# Allegro board PCIE_FIBER_BOARD-1116.brd (continued)
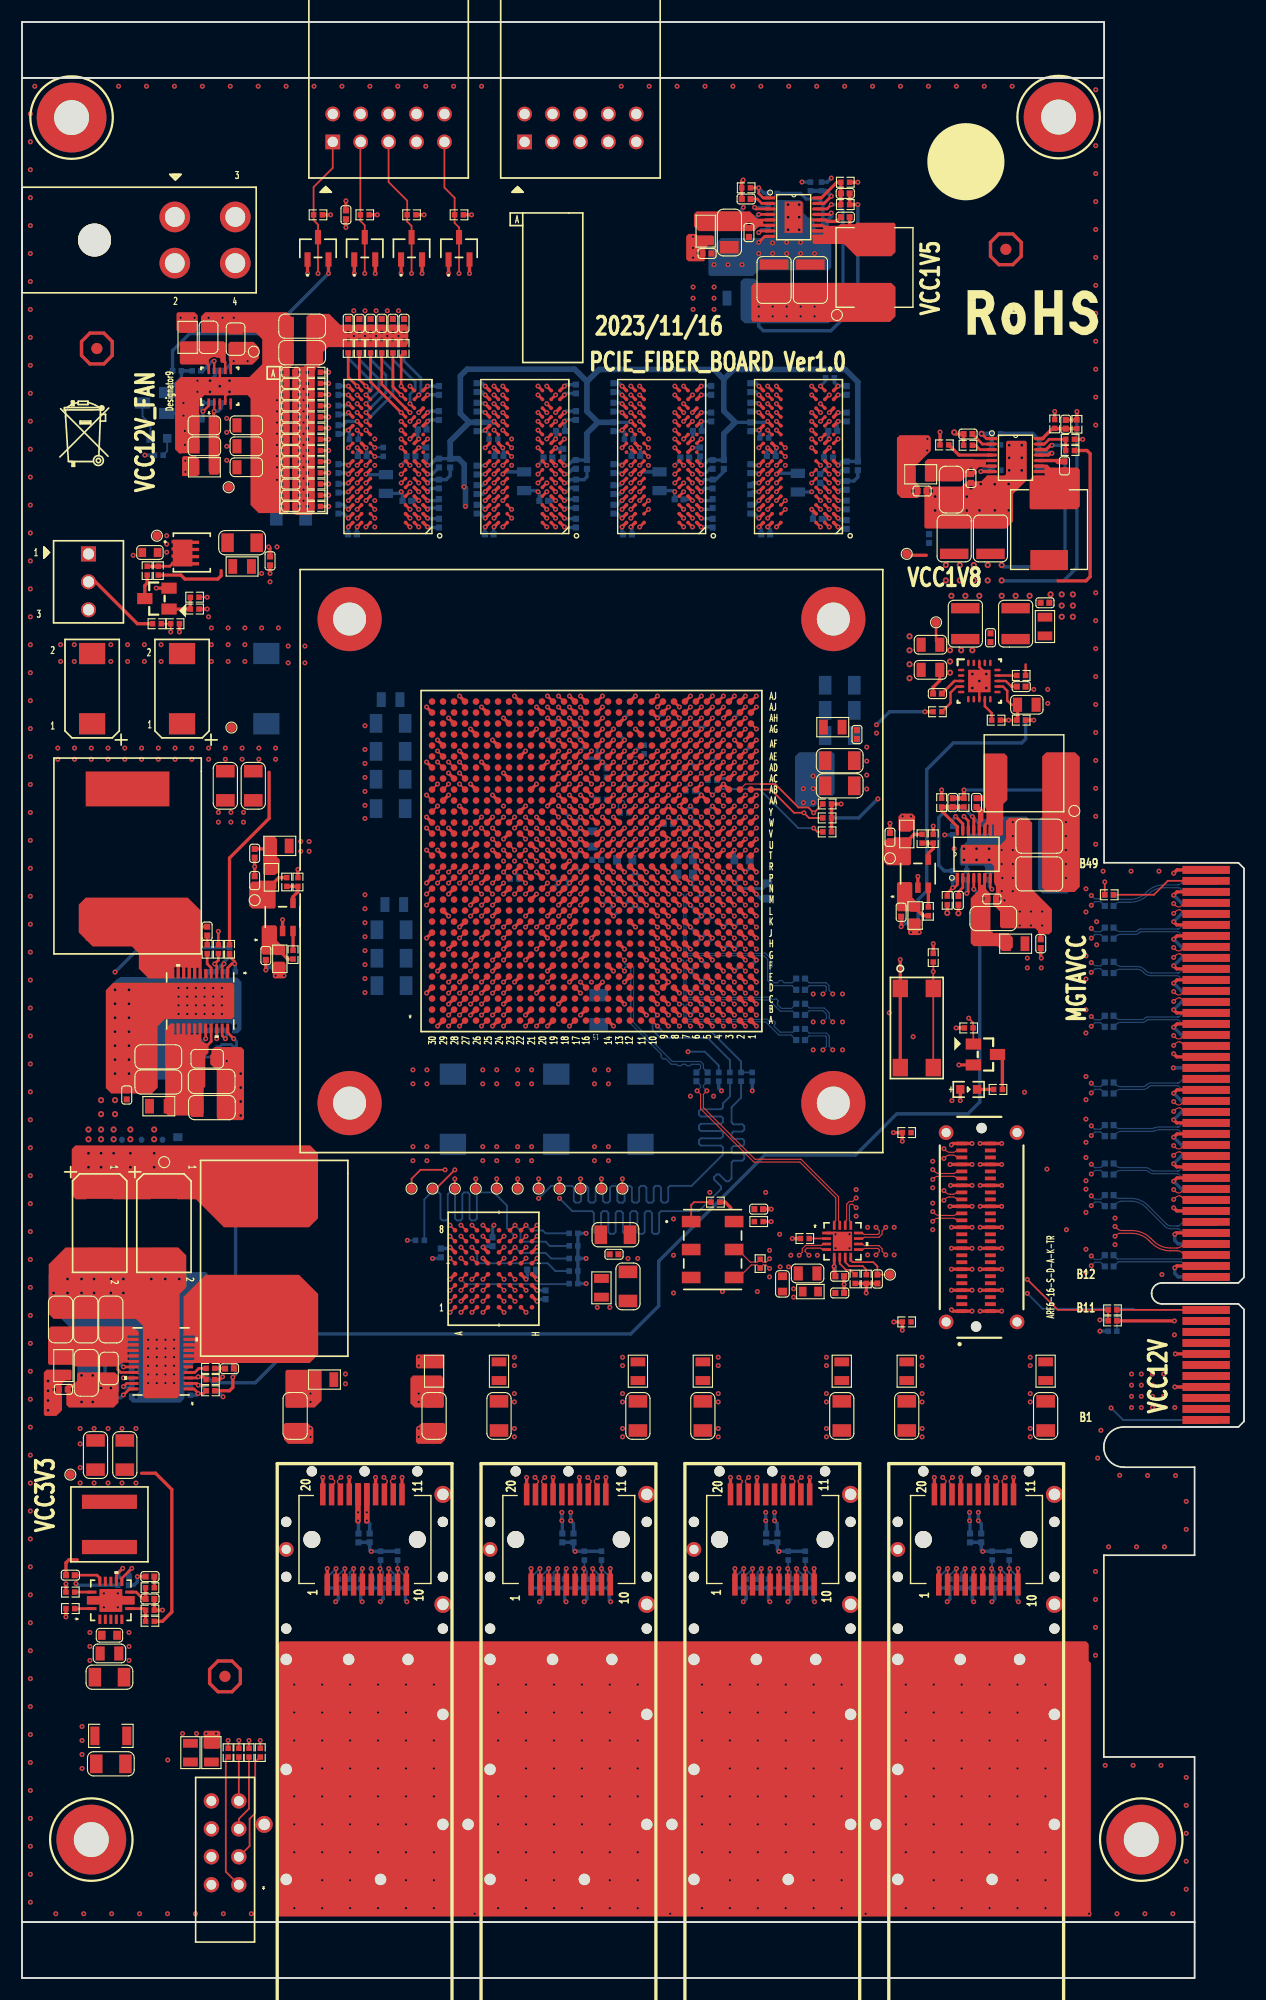
[diagram p0: board, top side]
## Routing (per net, layer and track width the routed paths; a pad name or vN(x,y) marks a point on that pad's centre or on a via; arc(x,y) is an arc through that point) (continued)
N16772438: length 2
  BOTTOM w0.305: v1(49.9,42.33) v1(49.9,41.57) 50.16,41.31 C2457.1
  vias: v1(54.63,53.12) v1(54.63,52.36)
N16773503: length 2.2
  TOP w0.229: U120.9 87.58,115.61 88.2,114.98 R1111.2
N16774020: length 2.2
  TOP w0.229: U120.3 84.81,117.89
  TOP w0.254: 84.81,117.89 C1235.1
N16774481: length 3.3
  TOP w0.229: U120.4 85.01,117.39 84.45,116.84 84.45,115.89 R1112.2
N16776070: length 1.8
  TOP w0.229: R1114.1 90.48,118.39 U120.14
N16776537: length 4.4
  TOP w0.229: U120.12 89.23,117.39 89.62,117.01 89.62,116.12 90,115.74 C1238.1
  TOP w0.305: C1238.1 90.54,114.4 R1115.2
N16785044: length 9.6
  BOTTOM w0.104: C2466.2 99.52,70.39 arc(99.76,70.55) 100.05,70.61 100.88,70.61 arc(101.6,70.47) 102.22,70.06 103.94,68.34 arc(104.2,68.16) 104.51,68.1 105.16,68.1 arc(105.23,68.09) 105.29,68.05 105.56,67.78 arc(105.62,67.74) 105.68,67.73 U249.A16
N16785066: length 9.6
  BOTTOM w0.104: C2467.2 99.44,71.01 arc(99.59,70.9) 99.78,70.87 100.88,70.87 arc(101.7,70.7) 102.4,70.24 104.11,68.52 arc(104.3,68.4) 104.51,68.36 105.11,68.36 arc(105.12,68.36) 105.14,68.36 105.19,68.36 arc(105.23,68.36) 105.27,68.39 105.53,68.65 arc(105.62,68.71) 105.72,68.73 U249.A17
N16785114: length 8.8
  BOTTOM w0.104: U249.A21 105.62,72.73 arc(105.56,72.74) 105.51,72.78 105.23,73.05 arc(105.18,73.09) 105.11,73.1 102.92,73.1 arc(102.69,73.15) 102.49,73.28 arc(102.35,73.37) 102.18,73.41 99.91,73.41 arc(99.68,73.36) 99.48,73.23 C2468.2
N16785116: length 8.8
  BOTTOM w0.104: C2469.2 99.48,73.84 arc(99.68,73.71) 99.91,73.66 102.19,73.66 arc(102.45,73.61) 102.67,73.46 arc(102.78,73.38) 102.92,73.36 105.11,73.36 arc(105.12,73.36) 105.14,73.36 105.19,73.36 arc(105.23,73.36) 105.27,73.39 105.53,73.65 arc(105.62,73.71) 105.72,73.73 U249.A22
N16785180: length 8.7
  BOTTOM w0.104: U249.A25 105.62,76.73 arc(105.56,76.74) 105.51,76.78 105.23,77.05 arc(105.18,77.09) 105.11,77.1 103.4,77.1 arc(103.22,77.08) 103.06,77.02 arc(102.95,76.98) 102.83,76.96 100.02,76.96 arc(99.75,76.91) 99.51,76.75 C2470.2
N16785182: length 8.7
  BOTTOM w0.104: C2471.2 99.45,77.36 arc(99.61,77.25) 99.81,77.22 102.67,77.22 arc(102.85,77.23) 103.03,77.29 arc(103.21,77.34) 103.4,77.36 105.11,77.36 arc(105.12,77.36) 105.14,77.36 105.19,77.36 arc(105.23,77.36) 105.27,77.39 105.53,77.65 arc(105.62,77.71) 105.72,77.73 U249.A26
N16785246: length 8.8
  BOTTOM w0.104: C2472.2 99.48,80.59 arc(99.68,80.73) 99.91,80.77 102.01,80.77 arc(102.22,80.81) 102.4,80.93 102.48,81.02 arc(102.58,81.08) 102.69,81.1 105.11,81.1 arc(105.18,81.09) 105.23,81.05 105.51,80.78 arc(105.56,80.74) 105.62,80.73 U249.A29
N16785248: length 8.8
  BOTTOM w0.104: C2473.2 99.48,81.21 arc(99.68,81.07) 99.91,81.03 102.01,81.03 arc(102.12,81.05) 102.22,81.11 102.3,81.2 arc(102.48,81.32) 102.69,81.36 105.11,81.36 arc(105.12,81.36) 105.14,81.36 105.19,81.36 arc(105.23,81.36) 105.27,81.39 105.53,81.65 arc(105.62,81.71) 105.72,81.73 U249.A30
N16785312: length 8.8
  BOTTOM w0.104: U249.A35 105.62,86.73 arc(105.56,86.74) 105.51,86.78 105.23,87.05 arc(105.18,87.09) 105.11,87.1 102.4,87.1 arc(102.35,87.09) 102.3,87.06 102.22,86.98 arc(102.1,86.9) 101.95,86.87 99.96,86.87 arc(99.71,86.82) 99.5,86.67 C2474.2
N16785314: length 8.8
  BOTTOM w0.104: C2475.2 99.47,87.29 arc(99.65,87.16) 99.86,87.12 101.95,87.12 arc(102,87.13) 102.04,87.16 102.12,87.24 arc(102.25,87.33) 102.4,87.36 105.11,87.36 arc(105.12,87.36) 105.14,87.36 105.19,87.36 arc(105.23,87.36) 105.27,87.39 105.53,87.65 arc(105.62,87.71) 105.72,87.73 U249.A36
N16785378: length 8.8
  BOTTOM w0.104: U249.A39 105.62,90.73 arc(105.56,90.74) 105.51,90.78 105.23,91.05 arc(105.18,91.09) 105.11,91.1 102.74,91.1 arc(102.35,91.18) 102.02,91.4 101.95,91.47 arc(101.7,91.64) 101.41,91.69 99.86,91.69 arc(99.65,91.65) 99.47,91.53 C2476.2
N16785380: length 8.9
  BOTTOM w0.104: C2477.2 99.5,92.15 arc(99.73,92) 99.99,91.95 101.41,91.95 arc(101.8,91.87) 102.13,91.65 102.2,91.58 arc(102.45,91.41) 102.74,91.36 105.11,91.36 arc(105.12,91.36) 105.14,91.36 105.19,91.36 arc(105.23,91.36) 105.27,91.39 105.53,91.65 arc(105.62,91.71) 105.72,91.73 U249.A40
N16785510: length 8.8
  BOTTOM w0.104: C2478.2 99.49,94.68 arc(99.7,94.82) 99.95,94.87 101.31,94.87 arc(101.46,94.9) 101.59,94.98 101.67,95.06 arc(101.71,95.09) 101.76,95.1 105.11,95.1 arc(105.18,95.09) 105.23,95.05 105.51,94.78 arc(105.56,94.74) 105.62,94.73 U249.A43
N16785512: length 8.8
  BOTTOM w0.104: C2479.2 99.47,95.29 arc(99.66,95.17) 99.88,95.12 101.31,95.12 arc(101.36,95.13) 101.41,95.16 101.49,95.24 arc(101.61,95.33) 101.76,95.36 105.11,95.36 arc(105.12,95.36) 105.14,95.36 105.19,95.36 arc(105.23,95.36) 105.27,95.39 105.53,95.65 arc(105.62,95.71) 105.72,95.73 U249.A44
N16785576: length 9
  BOTTOM w0.104: C2480.2 99.47,97.63 arc(99.65,97.75) 99.86,97.79 100.8,97.79 arc(101.66,97.96) 102.38,98.44 102.46,98.53 arc(103.11,98.96) 103.87,99.11 105.11,99.11 arc(105.13,99.11) 105.16,99.11 arc(105.16,99.11) 105.16,99.1 arc(105.18,99.1) 105.2,99.1 arc(105.2,99.1) 105.2,99.1 arc(105.28,99.09) 105.34,99.05 105.48,98.91 arc(105.68,98.78) 105.91,98.73 U249.A47
N16785578: length 9
  BOTTOM w0.104: U249.A48 105.93,99.73 arc(105.69,99.68) 105.49,99.55 105.48,99.54 arc(105.32,99.42) 105.12,99.36 arc(105.12,99.36) 105.11,99.36 103.87,99.36 arc(103.01,99.19) 102.28,98.7 102.2,98.62 arc(101.56,98.19) 100.8,98.04 99.99,98.04 arc(99.73,98.1) 99.5,98.25 C2481.2
N16787009: length 8.8
  BOTTOM w0.104: U249.A13 105.83,64.73 105.46,65.1 99.71,65.1 C2464.2
N16787011: length 8.7
  BOTTOM w0.104: U249.A14 105.86,65.73 105.49,65.36 99.63,65.36 C2465.2
N16791944: length 4.8
  TOP w0.157: C2488.2 TP54.1
  TOP w0.165: C2488.2 77.8,64.69 77.42,65.07 75.55,65.07 75.38,65.24 U251.8
N16791990: length 1.2
  TOP w0.305: 64.47,70.02 63.96,70.52 R1204.2
N16792037: length 3.4
  TOP w0.165: U250.1 60.87,70.26 61.13,70.52 R1204.1
N16792232: length 1.6
  TOP w0.165: R1206.2 U251.2
N16792748: length 2.4
  TOP w0.165: R1207.1 75.35,64.36 74.96,64.36 74.38,64.94 U251.6
N16792755: length 3.1
  TOP w0.165: R1208.1 76.79,64.4 76.47,64.72 75.23,64.72 74.88,65.07 U251.7
N16797706: length 1.9
  TOP w0.254: U119.4 v1(86.57,98.97)
  BOTTOM w0.254: v1(86.57,98.97) 86.82,98.72 R1102.2
N16799597: length 3
  TOP w0.305: Q17.1 R1213.1 R1212.1
N16799599: length 2.6
  TOP w0.254: Q16.4 13.72,128.6 13.45,128.33 R1209.2
  TOP w0.305: R1209.2 R1226.1
N16799687: length 6.4
  TOP w0.305: R1209.1 14.45,127.53 14.81,127.17 17.81,127.17 18.11,127.47 18.11,127.93
N16802634: length 8.1
  TOP w0.165: U249.B11 R1200.2
N16803090: length 67.1
  TOP w0.165: U247.H20 v1(46.8,93.53)
  ART03 w0.117: v1(91.44,62.23) 90.55,63.12 85.19,63.12 63.47,84.84 57.66,84.84 56.01,86.49 56.01,88.01 52.58,91.44 49.02,91.44 46.93,93.53 v1(46.8,93.53)
  BOTTOM w0.165: v1(91.44,62.23) 92.84,60.83 R1215.1
N16820993: length 16.7
  TOP w0.165: U247.A17 v1(49.8,86.53) ; TP64.1 v1(52.7,72.64)
  ART10 w0.117: v1(52.7,72.64) 52.7,75.67 49.8,78.58 v1(49.8,86.53)
N16820996: length 16.4
  TOP w0.165: TP65.1 v1(48.9,72.64) ; U247.A20 v1(46.8,86.53)
  ART10 w0.117: v1(46.8,86.53) 46.8,84.77 47.35,84.22 47.35,74.19 v1(48.9,72.64)
N16820999: length 16.6
  TOP w0.165: TP66.1 v1(43.18,72.64) ; U247.A21 v1(45.8,86.53)
  ART10 w0.117: v1(45.8,86.53) 45.34,86.07 45.34,84.45 44.2,83.31 44.2,73.66 v1(43.18,72.64)
N16821008: length 20.9
  TOP w0.165: TP63.1 v1(50.8,72.64) ; U247.E19 v1(47.8,90.53)
  ART10 w0.117: v1(50.8,72.64) 50.8,76.83 49.28,78.36 49.28,89.28 48.03,90.53 v1(47.8,90.53)
N16821066: length 20.5
  TOP w0.165: U247.D17 v1(50.8,89.53) ; TP62.1 v1(54.61,72.64)
  ART10 w0.117: v1(54.61,72.64) 54.61,74.88 50.29,79.2 50.29,89.02 v1(50.8,89.53)
N16821349: length 25.8
  TOP w0.165: U247.K23 v1(43.8,95.53) ; TP58.1 v1(41.27,72.64)
  ART10 w0.102: v1(43.8,95.53) 43.67,95.4
  ART10 w0.117: 43.67,95.4 43.31,95.04 43.31,84.96 43.69,84.58 43.69,76.97 42.57,75.85 42.57,73.93 v1(41.27,72.64)
N16821352: length 26.1
  TOP w0.165: TP56.1 v1(39.37,72.64) ; U247.K24 v1(42.8,95.53)
  ART10 w0.117: v1(39.37,72.64) 40.89,74.17 40.89,75.46 42.52,77.09 42.52,82.96 42.29,83.2 42.29,95.02 v1(42.8,95.53)
N16821355: length 26
  TOP w0.165: TP57.1 v1(46.99,72.64) ; U247.L21 v1(45.8,96.53)
  ART10 w0.102: 46.4,85.85 46.4,95.93 v1(45.8,96.53)
  ART10 w0.117: v1(46.99,72.64) 46.99,84.07 46.4,84.66 46.4,85.85
N16821358: length 25.5
  TOP w0.165: TP59.1 v1(45.09,72.64) ; U247.K21 v1(45.8,95.53)
  ART10 w0.102: v1(45.8,95.53) 46.2,95.13 46.2,86.2 45.71,85.71 45.71,85.46
  ART10 w0.117: 45.71,85.46 45.71,84.3 44.57,83.16 44.57,73.16 v1(45.09,72.64)
N16821361: length 29
  TOP w0.165: TP60.1 35.43,72.64 36.25,73.46 v1(38.48,73.46) ; U247.L26 v1(40.8,96.53)
  ART10 w0.117: v1(38.48,73.46) 38.48,74.46 40.36,76.34 40.36,96.09 v1(40.8,96.53)
N16821364: length 27.5
  TOP w0.165: U247.L25 v1(41.8,96.53) ; v1(39.37,73.46) 37.66,71.75 TP61.1
  ART10 w0.117: v1(39.37,73.46) 40.41,74.5 40.41,75.63 41.27,76.5 41.27,96.01 v1(41.8,96.53)
N16821463: length 1.6
  TOP w0.165: U247.R23 v1(43.8,100.53)
  BOTTOM w0.165: v1(43.8,100.53) 44.41,99.92 R1214.1
N16830782: length 2.2
  TOP w0.305: Q17.3 11.17,126.57 11.38,126.79 R1226.2
N16831238: length 2.7
  TOP w0.305: R1231.2 R1232.1 82.88,102.67 82.44,102.23 U254.4
N16831254: length 1.7
  TOP w0.305: R1231.1 81.14,103.96 L253.1
N16831338: length 1.5
  TOP w0.305: R1230.1 81.95,96.56 L252.2
N16831858: length 1.8
  TOP w0.305: U254.3 R1230.2
N16834590: length 7.4
  TOP w0.305: J5.2 6.68,126.91 10.49,123.1 R1211.1
N16835504: length 2.7
  TOP w0.305: U253.4 24.65,98.29 25.1,98.74 R1229.1 R1228.2
N16835514: length 1.7
  TOP w0.305: L251.1 23.36,100.03 R1228.1
N16835584: length 1.5
  TOP w0.305: R1227.1 24.17,92.62 L250.2
N16836033: length 1.8
  TOP w0.305: U253.3 R1227.2
N16836574: length 12.2
  TOP w0.165: R1219.1 18.54,19.88 18.54,9.66 D1.1
N16836583: length 6.9
  TOP w0.165: R1217.1 20.65,15.39 19.72,14.47 D1.3
N16836592: length 9.9
  TOP w0.165: R1218.1 21.21,19.62 21.21,14.98 20.7,14.48 20.7,11.99 D1.2
N16836621: length 4
  TOP w0.165: D1.4 R1216.1
N16841265: length 2.5
  TOP w0.254: R1223.1 11.1,33.58 U252.7
  TOP w0.305: R1223.1 R1221.2
N16841295: length 2.7
  TOP w0.254: U252.13 7.08,36.36 6.83,36.61 C2493.1
N16841309: length 2.3
  TOP w0.305: C2493.2 4,37.74 4.27,38.01 5.03,38.01
N16841343: length 2.3
  TOP w0.254: U252.10 8.58,36.66 v1(9.16,37.24)
  BOTTOM w0.305: v1(9.16,37.24) 8.72,36.79 R1220.2
N16841418: length 2.4
  TOP w0.254: v1(9.99,37.24) 9.08,36.33 U252.9
  BOTTOM w0.305: C2499.1 9.73,36.98 v1(9.99,37.24)
N16841448: length 1.6
  TOP w0.254: U252.1 R1224.1
N16841487: length 2.7
  TOP w0.254: C2501.1 11.01,34.46 10.39,35.08 U252.8
  TOP w0.305: C2501.1 R1225.2
N16841491: length 1
  TOP w0.305: R1225.1 C2500.2
N16841601: length 1.6
  TOP w0.254: U252.14 R1222.2
N16940256: length 15.8
  TOP w0.104: U247.G13 v1(54.8,92.53)
  BOTTOM w0.104: v1(54.8,92.53) 54.8,92.26 54.9,92.16 55.37,92.16 55.63,91.9 55.63,86.85 59.16,83.31 61.72,83.31 61.98,83.06 61.98,82.7 C2439.1
N16940258: length 15.8
  TOP w0.104: U247.F13 v1(54.8,91.53)
  BOTTOM w0.104: C2440.1 61.72,82.7 61.72,82.95 61.62,83.06 60.91,83.06 60.78,82.93 60.49,82.93 60.37,83.06 60.08,83.06 59.95,82.93 59.66,82.93 59.53,83.06 59.06,83.06 58.57,83.54 58.42,83.54 58.3,83.54 58.14,83.71 58.14,83.85 58.14,83.97 55.37,86.74 55.37,91.8 55.27,91.9 54.9,91.9 54.8,91.8 v1(54.8,91.53)
N17765267: length 2
  TOP w0.254: v1(67.01,158.66) 67.16,158.81 U116.7
  BOTTOM w0.305: R1069.2 67.26,158.92 v1(67.01,158.66)
N17766516: length 2
  TOP w0.254: U119.7 88.07,99.12 v1(88.22,98.97)
  BOTTOM w0.254: v1(88.22,98.97) 87.96,99.23 R1104.2
N22202247: length 4.3
  TOP w0.305: R1059.2 85.22,138.43 U115.4
N22202333: length 7.3
  TOP w0.305: U115.13 93.35,138.43 93.51,138.6 v1(93.68,138.6)
  BOTTOM w0.381: v1(93.68,138.6) 93.62,138.65 C1175.1 92.54,139.73 91.89,140.37 R1061.2
N22202347: length 2.1
  TOP w0.254: U115.2 87.35,139.43 C1176.1
N22202393: length 3
  TOP w0.254: v2(87.28,140.37) 87.72,139.93 U115.1
  BOTTOM w0.381: v2(87.28,140.37) R1061.1 R1064.2
N22202417: length 2.3
  TOP w0.305: U115.12 94.15,137.93 94.23,137.85
  TOP w0.508: C1179.2 94.23,137.85
N22202453: length 2.1
  TOP w0.305: v1(87.2,136.94) 87.21,136.93 U115.7
  BOTTOM w0.305: R1066.2 87.33,137.06 v1(87.2,136.94)
N22202455: length 3.8
  TOP w0.305: R1057.1 C1180.1 93.96,140.83 R1089.1 93.75,140.86 92.82,139.93 U115.16
N22202599: length 1.9
  TOP w0.254: U115.3 87.12,138.93 86.73,139.33 R1065.1
N22202663: length 3.6
  TOP w0.254: U115.15 92.99,139.43 93.43,139.87 R1060.2 R1058.2

## Copper pours and planes (outline as drawn; the poured copper is in the pictures)
GND on TOP (solid shape): 18.03,22.35 18.03,20.95 17.91,20.83 16.64,20.83 16.51,20.95 16.51,22.35 16.64,22.48 17.91,22.48
GND on TOP (solid shape): 26.51,49.94 26.51,48.7 26.36,48.55 24.21,48.55 23.83,48.93 23.83,50.33 23.96,50.46 25.99,50.46
GND on TOP (solid shape): 38.5,50.33 38.5,48.93 38.12,48.55 36,48.55 35.83,48.73 35.83,49.95 36.34,50.46 38.37,50.46
GND on TOP (solid shape): 97.03,30.35 97.03,28.83 97.22,28.64 97.22,5.59 23.24,5.59 23.11,5.72 23.11,30.23 23.5,30.61 96.77,30.61
GND on TOP (solid shape): 20.19,84.37 20.19,78.11 20.07,77.98 17.91,77.98 17.72,78.17 17.72,78.42 17.71,78.43 17.71,82.48 17.12,83.08 17.12,83.9 17.23,84.01 17.23,84.35 17.5,84.62 19.94,84.62
GND on TOP (solid shape): 5.87,66.39 8.26,66.39 8.26,66.41 11.71,66.41 11.71,66.39 14.1,66.39 14.1,66.41 14.22,66.41 14.94,65.69 14.94,62.78 14.3,62.14 14.3,52.91 14.1,52.7 11.18,52.7 11,52.88 11,59.29 10.38,59.91 2.87,59.91 2.43,60.36 2.43,64.87 3.96,66.41 5.87,66.41
GND on TOP (solid shape): 8.45,55.04 8.71,54.78 8.73,54.76 8.76,54.73 8.78,54.72 8.78,52.3 8.34,51.85 4.27,51.85 4.03,52.1 4.03,53.33 4.73,53.33 4.73,53.63 4.22,53.63 4.22,53.33 4.03,53.33 4.03,53.86 4.19,54.02 4.73,54.02 5.01,54.29 5.01,54.93 5.14,55.06 8.43,55.06
GND on TOP (solid shape): 19.3,90.3 19.3,87.38 19.09,87.16 12.97,87.16 12.34,86.54 12.34,80.92 11.81,80.39 9.98,80.39 9.9,80.43 9.8,80.45 9.25,80.45 9.15,80.43 9.07,80.39 8.13,80.39 7.62,80.9 7.62,89.79 8.29,90.46 19.14,90.46
GND on TOP (solid shape): 9.12,35.34 9.12,34.79 9.2,34.71 10.21,34.71 10.25,34.68 10.25,34 10.2,33.95 9.14,33.95 9.12,33.94 9.12,33.31 9.09,33.28 7.09,33.28 7.06,33.31 7.06,33.95 7.05,33.95 5.93,33.95 5.9,33.99 5.9,34.69 5.91,34.7 7.06,34.7 7.07,34.71 7.07,35.29 7.13,35.36 9.1,35.36
GND on TOP (solid shape): 91.39,139.61 91.39,136.15 90.14,134.89 90.14,132.39 89.5,131.75 82.21,131.75 82.07,131.89 82.07,135.01 82.86,135.01 82.86,135.32 86.47,135.32 86.47,135.83 86.16,135.83 86.16,135.32 82.35,135.32 82.35,135.01 82.07,135.01 82.07,135.5 82.15,135.57 85.45,135.57 85.93,136.06 87.26,136.06 87.79,136.58 88.6,136.58 89.38,136.58 89.5,136.71 89.5,139.61 89.63,139.74 91.27,139.74
GND on TOP (solid shape): 91.88,105.02 91.88,98.97 93.68,97.17 93.68,95.12 93.43,94.87 93.05,94.87 93,94.9 92.94,94.9 92.5,94.9 92.41,95 92.41,95.16 92.16,95.42 89.11,95.42 88.96,95.57 88.96,96.94 88.32,97.57 88.32,97.96 89.13,97.96 89.13,98.26 88.63,98.26 88.63,97.96 88.32,97.96 88.32,98.36 88.57,98.62 88.57,98.83 88.59,98.87 88.6,98.94 88.6,99 88.59,99.07 88.57,99.11 88.57,99.28 88.45,99.4 88.45,99.98 88.45,100.01 88.44,100.07 88.43,100.11 88.42,100.38 88.42,101.05 88.17,101.31 85.58,101.31 85.4,101.49 85.4,102.88 85.53,103.01 89.01,103.01 89.49,103.49 89.49,105.17 89.78,105.46 91.43,105.46
GND on TOP (solid shape): 24.72,150.79 24.72,146.72 24.34,146.34 24.34,133.39 24.11,133.16 21.52,133.16 21.08,133.6 23.98,133.6 23.98,133.9 23.47,133.9 23.47,133.6 21.08,133.6 20.78,133.9 20.78,134.61 23.98,134.61 23.98,134.92 23.47,134.92 23.47,134.61 20.78,134.61 20.78,135.63 23.98,135.63 23.98,135.93 23.47,135.93 23.47,135.63 20.78,135.63 20.78,136.64 23.98,136.64 23.98,136.95 23.47,136.95 23.47,136.64 20.78,136.64 20.78,137.66 23.98,137.66 23.98,137.96 23.47,137.96 23.47,137.66 20.78,137.66 20.78,138.67 23.98,138.67 23.98,138.98 23.47,138.98 23.47,138.67 20.78,138.67 20.78,139.69 23.98,139.69 23.98,140 23.47,140 23.47,139.69 20.78,139.69 20.78,140.71 23.98,140.71 23.98,141.01 23.47,141.01 23.47,140.71 20.78,140.71 20.78,141.72 23.98,141.72 23.98,142.03 23.47,142.03 23.47,141.72 20.78,141.72 20.78,142.74 23.98,142.74 23.98,143.04 23.47,143.04 23.47,142.74 20.78,142.74 20.78,143.6 20.63,143.76 23.98,143.76 23.98,144.06 23.47,144.06 23.47,143.76 20.63,143.76 20.5,143.88 16.59,143.88 16.13,143.42 16.13,142.57 16.12,142.54 16.1,142.48 16.1,142.43 16.1,142.38 16.1,142.33 16.12,142.28 16.13,142.24 16.13,138.9 15.83,138.6 14.58,138.6 14.55,138.57 14.3,138.57 13.92,138.95 13.92,144.77 23.99,144.77 23.99,145.08 23.49,145.08 23.49,144.77 13.92,144.77 13.92,145 14.46,145.53 20.68,145.53 20.93,145.78 23.98,145.78 23.98,146.09 23.47,146.09 23.47,145.78 20.93,145.78 21.85,146.7 21.85,148.97 21.26,149.55 16.3,149.55 16.29,149.57 16.29,151.04 16.67,151.42 24.08,151.42
GND on BOTTOM (solid shape): 91.65,105.32 91.65,98.97 91.27,98.59 88.85,98.59 88.73,98.72 88.73,100.19 88.52,100.39 87.69,100.39 87.61,100.47 87.61,100.95 87.44,101.12 85.42,101.12 85.3,101.25 85.3,102.68 85.96,103.35 85.96,103.92 86.09,104.05 87.97,104.05 88.22,104.31 88.22,105.32 88.47,105.58 91.39,105.58
GND on BOTTOM (solid shape): 71.09,161.31 71.09,160.42 71.49,160.03 71.96,160.03 72.09,159.9 72.09,159.17 72.43,158.84 73.23,158.84 73.61,158.45 73.61,155.49 73.36,155.23 67.01,155.23 66.5,154.73 65.51,154.73 65.51,154.72 62.56,154.72 62.44,154.85 62.44,157.01 63.58,158.15 68.2,158.15 68.36,158.31 68.36,161.33 68.64,161.61 70.79,161.61
GND on BOTTOM (solid shape): 15.1,90.94 19.57,90.94 19.95,90.56 19.95,86.2 19.63,85.88 19.13,85.88 19.13,86.17 19.56,86.17 19.56,86.68 19.26,86.68 19.26,86.17 19.13,86.17 19.13,86.61 18.95,86.8 17.51,86.8 17.26,86.55 17.26,85.95 17.18,85.86 15.23,85.86 15.1,85.73 15.1,82.42 14.34,81.66 8.51,81.66 8,82.17 8,86.17 17.05,86.17 17.05,86.68 16.74,86.68 16.74,86.17 8,86.17 8,90.17 8.63,90.8 8.68,90.81 8.74,90.84 8.8,90.87 8.85,90.91 8.91,90.95 8.95,90.99 15.05,90.99
GND on BOTTOM (solid shape): 17.61,63.28 17.61,57.82 14.78,55 14.78,52.68 14.4,52.3 10.04,52.3 9.72,52.63 9.72,52.69 10.52,52.69 10.52,53 10.01,53 10.01,52.69 9.72,52.69 9.72,53.12 10.46,53.12 10.64,53.31 10.64,54.75 10.39,54.99 9.79,54.99 9.7,55.08 9.7,55.18 10.49,55.18 10.49,55.49 9.99,55.49 9.99,55.18 9.7,55.18 9.7,57.03 9.58,57.16 7.54,57.16 6.93,56.54 6.93,54.16 7.18,53.9 8.26,53.9 8.28,53.88 8.28,53.56 8.08,53.36 7.1,53.36 6.92,53.17 6.92,52.61 6.63,52.32 5.2,52.32 5.03,52.49 5.03,58.46 2.39,61.1 2.39,63.92 2.65,64.17 16.72,64.17
GND on TOP: 78.11,112.27 78.11,107.82 77.47,107.19 75.44,107.19 74.93,107.7 74.93,111.89 75.44,112.39 75.44,112.78 75.56,112.9 77.47,112.9
GND on TOP: 75.45,50.46 73.42,50.46 72.74,49.78 72.74,48.84 73.03,48.55 75.2,48.55 75.58,48.93 75.58,50.33
GND on TOP: 0.51,172.21 97.92,172.21 97.92,100.86 104.55,100.86 104.01,100.33 98.17,100.33 97.28,101.22 97.28,126.62 97.54,126.87 97.54,128.27 97.66,128.4 97.66,143 95.12,145.54 85.47,145.54 83.69,147.32 83.69,165.48 78.74,170.43 11.3,170.43 2.16,161.29 2.16,56.01 1.52,55.37 1.52,8.89 4.32,6.1 22.23,6.1 22.23,5.59 0.51,5.59
GND on TOP: 35.13,151.93 29.29,151.93 29.04,151.68 29.04,150.66 29.16,150.53 35.13,150.53 35.39,150.79 35.39,151.68 ; 6 cut-outs
GND on TOP: 58.88,70.65 59.9,71.67 68.03,71.67 69.17,70.52 69.17,66.84 69.04,66.71 68.53,66.71 68.41,66.84 68.41,69.25 67.9,69.76 67.9,70.27 67.14,71.03 60.66,71.03 59.64,70.02 59.64,65.19 60.15,64.68 61.29,64.68 63.33,62.65 67.77,62.65 68.03,62.4 68.03,62.01 67.77,61.76 59.26,61.76 58.88,62.14
GND on TOP: 21.84,107.86 17.91,107.86 17.4,107.35 17.4,105.16 17.78,104.77 21.04,104.77 21.84,105.58 21.84,106 21.86,106.02 21.84,106.05
GND on TOP: 10.62,48.43 10.11,47.92 5.16,47.92 5.03,48.04 5.03,50.2 5.29,50.46 10.37,50.46 10.62,50.2
GND on TOP: 93.99,50.46 91.69,50.46 91.37,50.14 91.37,48.83 91.65,48.55 93.74,48.55 94.12,48.93 94.12,50.33
GND on TOP: 68.91,64.81 70.82,64.81 71.07,64.55 71.07,63.54 70.69,63.16 69.04,63.16 68.66,63.54 68.66,64.55
GND on TOP: 6.1,33.02 7.62,33.02 7.75,32.89 7.75,26.8 7.37,26.42 5.97,26.42 5.59,26.8 5.59,32.51
GND on TOP: 3.13,118.66 3,118.78 3,121.49 3.43,121.92 15.54,121.92 16.59,122.97 25.49,122.97 26.04,122.43 26.04,119.38 25.31,118.66
GND on TOP: 97.92,50.16 98.87,50.16 98.15,49.33 97.89,48.26 98.58,46.61 100.23,45.92 106.15,45.92 106.15,38.94 97.89,38.94 97.89,19.58 106.15,19.58 106.15,5.59 22.73,5.59 22.73,6.1 94.87,6.1 96.52,7.75 96.52,48.77
GND on TOP: 73.35,155.52 73.08,155.26 62.69,155.26 62.41,155.54 62.41,157.04 62.44,157.06 63.38,157.06 63.45,157.14 63.45,157.9 63.5,157.95 65.16,157.95 65.77,158.56 66.43,158.56 66.45,158.53 66.45,158.38 66.55,158.28 67.29,158.28 67.47,158.46 69.09,158.46 69.35,158.71 69.35,161.48 69.37,161.51 71,161.51 71.02,161.48 71.02,157.65 71.45,157.21 73.05,157.21 73.35,156.92 ; 2 cut-outs
GND on TOP: 56.91,50.46 54.88,50.46 54.32,49.89 54.32,48.76 54.52,48.55 56.66,48.55 57.04,48.93 57.04,50.33
GND on TOP: 91.14,117.87 93.2,117.87 93.68,117.39 93.68,115.05 93.5,114.87 91.98,114.87 91.83,115.02 91.83,116.55 91.57,116.8 91.17,116.8 91.01,116.96 91.01,117.74 ; 1 cut-out
GND on TOP: 11.38,129.07 9.99,129.07 9.86,129.2 9.86,130.34 9.99,130.47 11.38,130.47 11.51,130.34 11.51,129.2
GND on TOP: 61.04,50.46 63.07,50.46 63.59,49.94 63.59,48.76 63.38,48.55 61.29,48.55 60.91,48.93 60.91,50.33
GND on TOP: 54.36,68.45 56.26,68.45 56.39,68.33 56.39,63.75 56.01,63.37 54.61,63.37 54.1,63.88 54.1,68.2
GND on TOP: 42.5,50.46 44.53,50.46 45.09,49.9 45.09,48.91 44.73,48.55 42.75,48.55 42.37,48.93 42.37,50.33
GND on TOP: 20.91,129.58 20.78,129.71 20.78,131.36 20.91,131.48 23.45,131.48 23.83,131.1 23.83,129.96 23.45,129.58
GND on TOP: 79.58,50.46 81.61,50.46 82.12,49.95 82.12,48.68 81.99,48.55 79.83,48.55 79.45,48.93 79.45,50.33
GND on TOP: 87.71,122.09 87.71,123.64 87.36,123.99 82.83,123.99 82.25,123.41 82.25,118.15 82,117.89 79.96,117.89 79.84,118.02 79.84,125.13 80.85,126.15 92.66,126.15 92.92,125.9 92.92,124.75 92.77,124.6 92.13,124.6 91.9,124.37 91.9,123.74 91.65,123.48 88.98,123.48 88.6,123.1 88.6,122.09 88.47,121.96 87.84,121.96 ; 2 cut-outs
GND on TOP: 7.62,23.24 7.62,18.54 7.37,18.29 5.21,18.29 5.08,18.41 5.08,23.24 5.33,23.49 7.37,23.49
GND on BOTTOM: 30.69,105.54 31.2,105.03 32.72,105.03 32.97,105.28 32.97,114.6 32.64,114.94 30.99,114.94 30.69,114.63
GND on BOTTOM: 2.92,123.06 24.89,123.06 26.16,121.79 26.16,119.51 25.27,118.62 3.05,118.62 2.67,119 2.67,122.81
GND on BOTTOM: 51.69,87.38 54.23,87.38 54.48,87.12 54.48,86.11 53.98,85.6 51.82,85.6 51.56,85.85 51.56,87.25
GND on BOTTOM: 24.34,146.47 24.85,146.98 24.85,148.5 24.46,148.88 23.07,148.88 22.08,147.89 22.08,131.99 22.28,131.79 23.45,131.79 23.7,132.04 23.7,133.77 24.34,134.4 ; 11 cut-outs
GND on BOTTOM: 78.31,107.35 78.06,107.1 75.52,107.1 75.14,107.48 75.14,118.28 75.39,118.53 77.8,118.53 78.31,118.02
GND on BOTTOM: 35.13,151.93 29.29,151.93 29.04,151.68 29.04,150.66 29.16,150.53 35.13,150.53 35.39,150.79 35.39,151.68 ; 6 cut-outs
GND on BOTTOM: 92.79,131.73 83.52,131.73 82.77,130.98 82.25,130.98 82,131.23 82,140.37 82.5,140.87 85.81,140.87 86.69,139.98 86.69,136.56 86.95,136.3 88.6,136.3 88.73,136.43 88.73,139.6 88.85,139.73 91.27,139.73 91.52,139.48 91.52,137.95 91.77,137.7 92.92,137.7 93.04,137.57 93.04,131.98
GND on BOTTOM: 0.51,172.21 97.92,172.21 97.92,100.86 103.78,100.86 102.87,99.95 97.54,99.95 96.52,100.97 96.52,142.88 95,144.4 88.14,144.4 80.9,151.64 80.9,162.05 78.74,164.21 62.74,164.21 54.86,156.34 19.18,156.34 1.78,138.94 1.78,109.73 4.32,107.19 25.4,107.19 28.45,104.14 28.45,97.92 25.27,94.74 9.4,94.74 4.19,89.53 4.19,67.95 1.78,65.53 1.78,59.56 3.05,58.29 3.05,35.56 7.11,31.5 88.9,31.5 91.06,33.66 91.06,41.4 89.41,43.05 24.38,43.05 22.86,41.53 22.86,41.4 22.23,40.77 6.22,40.77 4.57,42.42 4.57,50.04 5.71,51.18 20.45,51.18 26.42,57.15 55.5,57.15 58.55,60.2 58.55,64.09 67.23,72.77 75.69,72.77 78.74,75.82 90.55,75.82 90.68,75.69 90.68,55.37 96.39,49.66 98.35,49.66 98.01,49 97.89,48.26 98.58,46.61 100.23,45.92 106.15,45.92 106.15,38.94 97.89,38.94 97.89,19.58 106.15,19.58 106.15,5.59 0.51,5.59
GND on BOTTOM: 32.47,96.3 30.94,96.3 30.69,96.05 30.69,89.32 31.07,88.94 32.47,88.94 32.85,89.32 32.85,95.92
GND on BOTTOM: 57.88,76.83 58.36,76.35 58.36,73.69 58.08,73.41 35.56,73.41 35.18,73.79 35.18,76.45 35.56,76.83
GND on BOTTOM: 14.99,77.09 14.99,76.33 14.61,75.95 5.84,75.95 5.71,76.07 5.71,77.34 5.84,77.47 14.61,77.47
GND on GND02, GND04, GND07, GND09, GND11: 0.51,172.21 97.92,172.21 97.92,100.86 110.43,100.86 110.64,100.65 110.64,63.9 110.43,63.69 103.68,63.69 102.66,63.27 102.23,62.24 102.23,62.22 102.66,61.19 103.68,60.77 110.43,60.77 110.64,60.56 110.64,50.81 110.43,50.6 100.23,50.6 97.89,48.26 100.23,45.92 106.15,45.92 106.15,38.94 97.89,38.94 97.89,19.58 106.15,19.58 106.15,5.59 0.51,5.59 ; 1 cut-out
GND on ART03: 0.51,172.21 97.92,172.21 97.92,100.86 107.47,100.86 106.81,100.2 98.04,100.2 97.54,100.71 97.54,164.97 91.57,170.94 6.35,170.94 1.4,165.99 1.4,28.32 4.06,25.65 15.11,25.65 25.02,35.56 91.57,35.56 95.5,39.5 95.5,47.75 97.79,50.04 98.71,50.04 98.11,49.24 97.89,48.26 98.58,46.61 100.23,45.92 106.15,45.92 106.15,38.94 97.89,38.94 97.89,19.58 106.15,19.58 106.15,5.59 0.51,5.59
GND on ART05: 0.51,172.21 97.92,172.21 97.92,100.86 110.43,100.86 110.64,100.65 110.64,63.9 110.43,63.69 103.68,63.69 102.66,63.27 102.23,62.24 102.23,62.22 102.66,61.19 103.68,60.77 110.43,60.77 110.64,60.56 110.64,50.81 110.43,50.6 100.23,50.6 97.89,48.26 100.23,45.92 106.15,45.92 106.15,38.94 97.89,38.94 97.89,19.58 106.15,19.58 106.15,5.59 0.51,5.59 ; 1 cut-out
GND on POWR06: 0.51,172.21 97.92,172.21 97.92,100.86 110.43,100.86 110.64,100.65 110.64,63.9 110.43,63.69 103.68,63.69 102.66,63.27 102.23,62.24 102.23,62.22 102.66,61.19 103.68,60.77 110.43,60.77 110.64,60.56 110.64,50.81 110.43,50.6 100.23,50.6 97.89,48.26 100.23,45.92 106.15,45.92 106.15,38.94 97.89,38.94 97.89,19.58 106.15,19.58 106.15,5.59 0.51,5.59 ; 1 cut-out
GND on ART08: 0.51,172.21 13.08,172.21 12.45,171.58 0.51,171.58
GND on ART08: 0.51,172.21 42.93,172.21 42.93,171.96 36.96,165.99 17.27,165.99 17.22,165.94 12.55,165.94 9.69,163.08 9.69,145.08 10.79,143.98 10.79,120.02 23.37,107.44 23.37,59.18 20.07,55.88 20.07,36.45 22.86,33.66 66.42,33.66 76.45,43.69 106.15,43.69 106.15,38.94 97.89,38.94 97.89,19.58 106.15,19.58 106.15,5.59 0.51,5.59 ; 1 cut-out
GND on ART08: 53.98,172.21 97.92,172.21 97.92,100.86 110.43,100.86 110.64,100.65 110.64,99.95 98.3,99.95 97.41,100.84 97.41,126.11 95.38,128.14 81.79,128.14 79.25,130.68 79.25,144.15 76.96,146.43 59.31,146.43 57.28,148.46 57.28,170.18 56.52,170.94 54.61,170.94 53.98,171.58